# Altium PCB BB.PcbDoc (part 8 of 9) (continued)
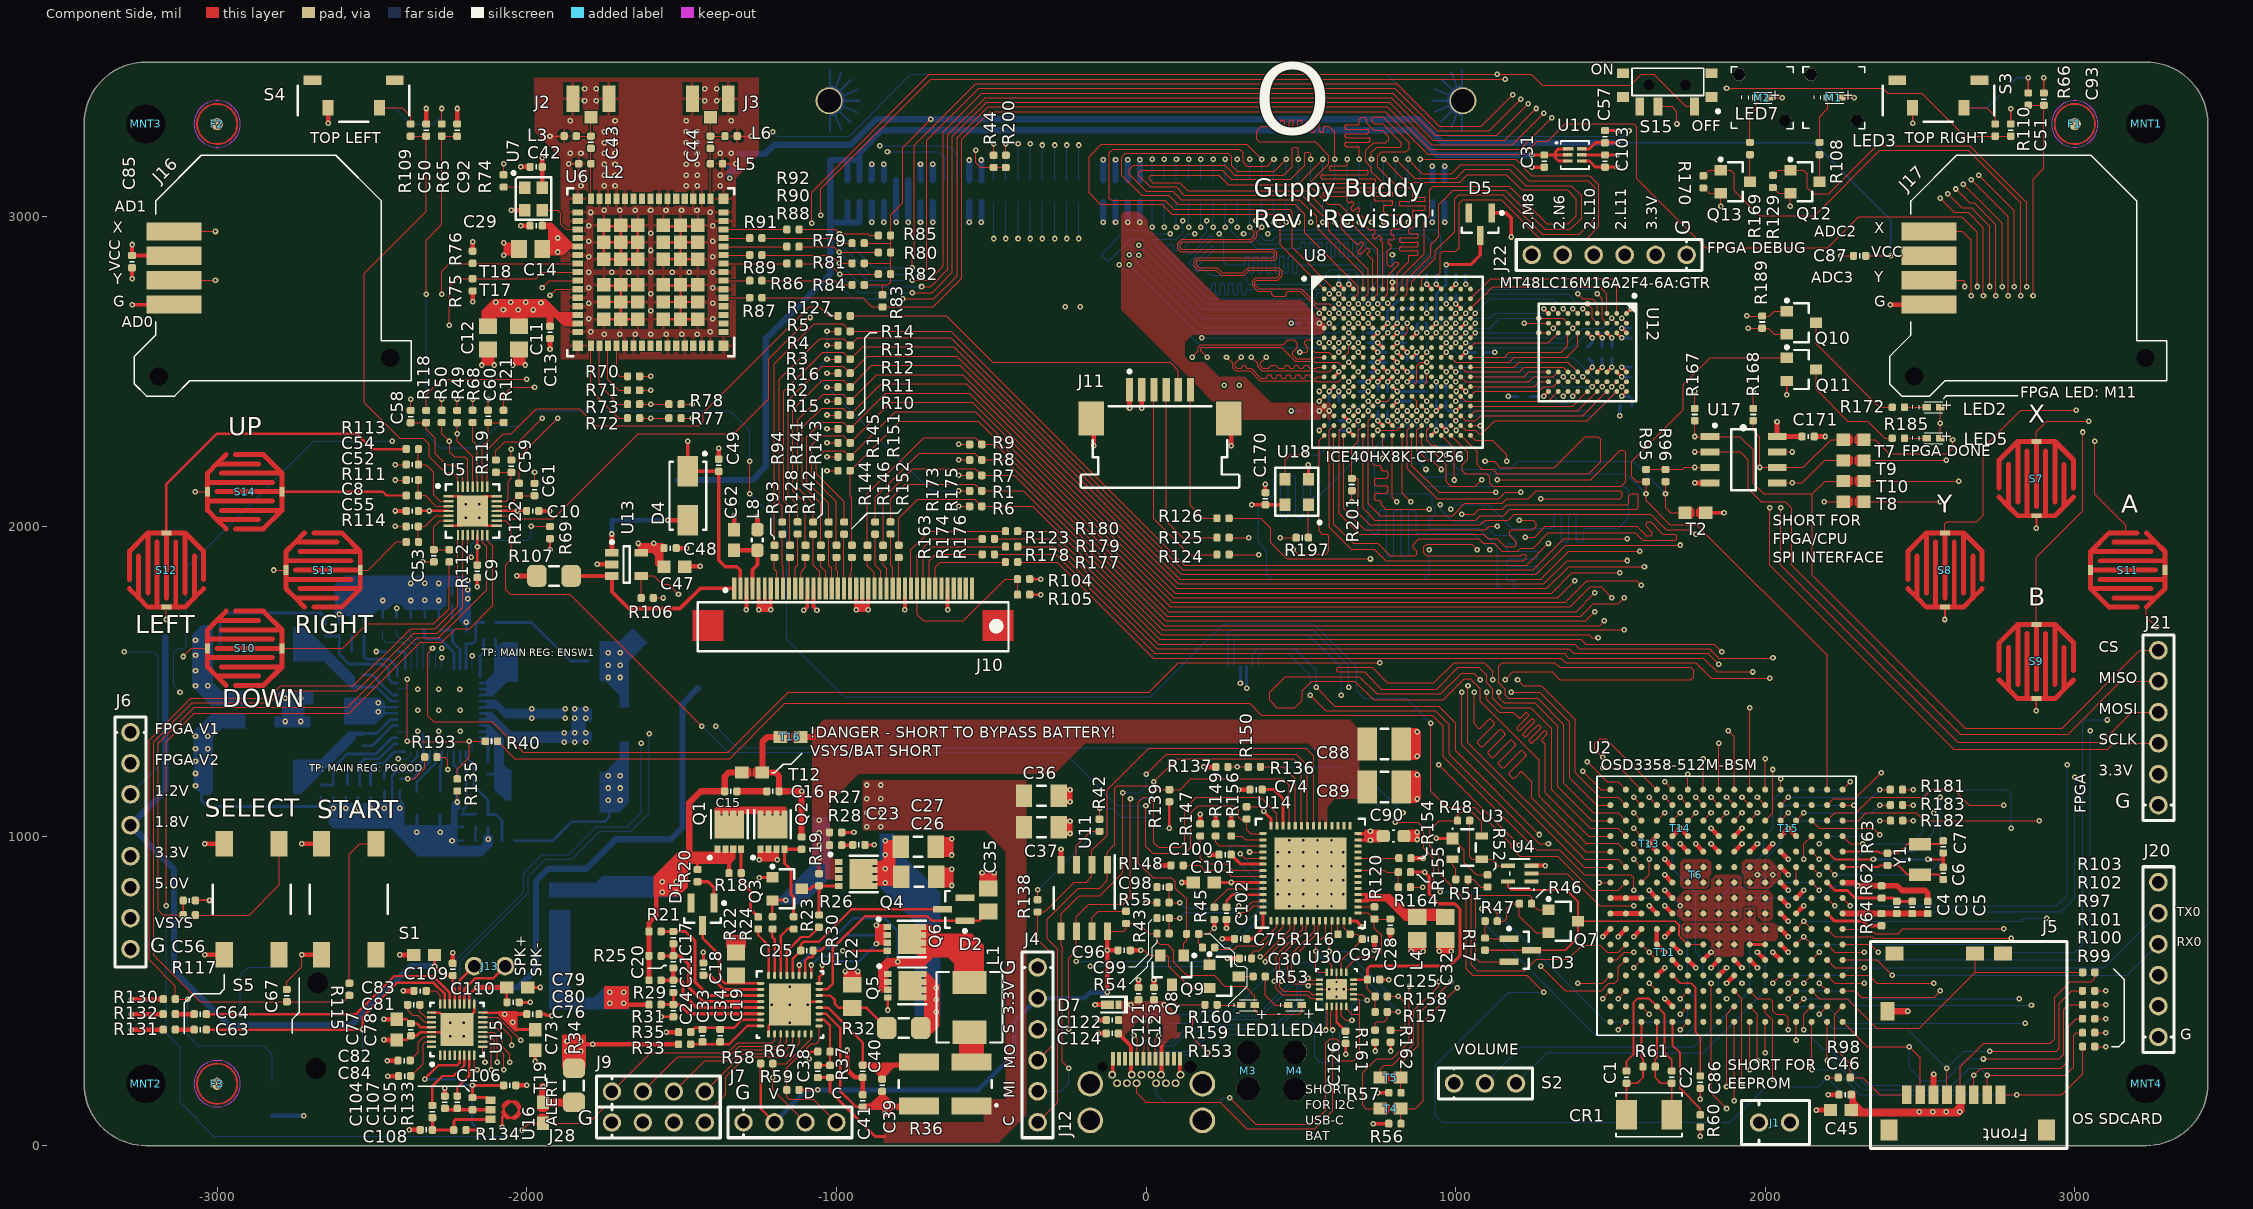
[diagram p0: Component Side view]
## Polygon pours and split planes (outlines as drawn) (continued)
GND on Ground Plane (GND) (split plane): -3230,3479.9 3230,3479.9 3230.71,3479.97 3241.77,3479.61 3253.49,3478.46 3265.12,3476.54 3276.59,3473.86 3287.86,3470.44 3298.88,3466.29 3309.61,3461.43 3320,3455.88 3330,3449.66 3339.57,3442.8 3348.68,3435.33 3357.28,3427.28 3365.33,3418.68 3372.8,3409.57 3379.66,3400 3385.88,3390 3391.43,3379.61 3396.3,3368.88 3400.44,3357.86 3403.86,3346.59 3406.54,3335.12 3408.46,3323.49 3409.61,3311.77 3409.97,3300.71 3409.9,3300 3409.9,200 3409.97,199.29 3409.61,188.23 3408.46,176.51 3406.54,164.88 3403.86,153.41 3400.44,142.14 3396.3,131.12 3391.43,120.39 3385.88,110 3379.66,100 3372.8,90.43 3365.33,81.32 3357.28,72.72 3348.68,64.67 3339.57,57.2 3330,50.34 3320,44.12 3309.61,38.57 3298.88,33.7 3287.86,29.56 3276.59,26.14 3265.12,23.46 3253.49,21.54 3241.77,20.39 3230.71,20.03 3230,20.1 -3230,20.1 -3230.71,20.03 -3241.77,20.39 -3253.49,21.54 -3265.12,23.46 -3276.59,26.14 -3287.86,29.56 -3298.88,33.7 -3309.61,38.57 -3320,44.12 -3330,50.34 -3339.57,57.2 -3348.68,64.67 -3357.28,72.72 -3365.33,81.32 -3372.8,90.42 -3379.66,100 -3385.88,110 -3391.43,120.39 -3396.29,131.12 -3400.44,142.14 -3403.86,153.41 -3406.54,164.88 -3408.46,176.51 -3409.61,188.23 -3409.97,199.29 -3409.9,200 -3409.9,3300 -3409.97,3300.71 -3409.61,3311.77 -3408.46,3323.49 -3406.54,3335.12 -3403.86,3346.59 -3400.44,3357.86 -3396.3,3368.88 -3391.43,3379.61 -3385.88,3390 -3379.66,3400 -3372.8,3409.57 -3365.33,3418.68 -3357.28,3427.28 -3348.68,3435.33 -3339.57,3442.8 -3330,3449.66 -3320,3455.88 -3309.61,3461.43 -3298.88,3466.3 -3287.86,3470.44 -3276.59,3473.86 -3265.12,3476.54 -3253.49,3478.46 -3241.77,3479.61 -3230.71,3479.97
V3P3 on Power Plane (VCC) (split plane): -3230,3479.9 3230,3479.9 3230.71,3479.97 3241.77,3479.61 3253.49,3478.46 3265.12,3476.54 3276.59,3473.86 3287.86,3470.44 3298.88,3466.29 3309.61,3461.43 3320,3455.88 3330,3449.66 3339.57,3442.8 3348.68,3435.33 3357.28,3427.28 3365.33,3418.68 3372.8,3409.57 3379.66,3400 3385.88,3390 3391.43,3379.61 3396.3,3368.88 3400.44,3357.86 3403.86,3346.59 3406.54,3335.12 3408.46,3323.49 3409.61,3311.77 3409.97,3300.71 3409.9,3300 3409.9,200 3409.97,199.29 3409.61,188.23 3408.46,176.51 3406.54,164.88 3403.86,153.41 3400.44,142.14 3396.3,131.12 3391.43,120.39 3385.88,110 3379.66,100 3372.8,90.43 3365.33,81.32 3357.28,72.72 3348.68,64.67 3339.57,57.2 3330,50.34 3320,44.12 3309.61,38.57 3298.88,33.7 3287.86,29.56 3276.59,26.14 3265.12,23.46 3253.49,21.54 3241.77,20.39 3230.71,20.03 3230,20.1 -3230,20.1 -3230.71,20.03 -3241.77,20.39 -3253.49,21.54 -3265.12,23.46 -3276.59,26.14 -3287.86,29.56 -3298.88,33.7 -3309.61,38.57 -3320,44.12 -3330,50.34 -3339.57,57.2 -3348.68,64.67 -3357.28,72.72 -3365.33,81.32 -3372.8,90.42 -3379.66,100 -3385.88,110 -3391.43,120.39 -3396.29,131.12 -3400.44,142.14 -3403.86,153.41 -3406.54,164.88 -3408.46,176.51 -3409.61,188.23 -3409.97,199.29 -3409.9,200 -3409.9,3300 -3409.97,3300.71 -3409.61,3311.77 -3408.46,3323.49 -3406.54,3335.12 -3403.86,3346.59 -3400.44,3357.86 -3396.3,3368.88 -3391.43,3379.61 -3385.88,3390 -3379.66,3400 -3372.8,3409.57 -3365.33,3418.68 -3357.28,3427.28 -3348.68,3435.33 -3339.57,3442.8 -3330,3449.66 -3320,3455.88 -3309.61,3461.43 -3298.88,3466.3 -3287.86,3470.44 -3276.59,3473.86 -3265.12,3476.54 -3253.49,3478.46 -3241.77,3479.61 -3230.71,3479.97
VADJ1 on Power Plane (VCC) (split plane): 1022.39,3199.01 1022.39,2860.99 973.2,2811.8 972.65,2810.98 972.45,2810 972.45,2764.06 950.94,2742.55 922,2742.55 921.02,2742.35 920.2,2741.8 876.2,2697.8 875.65,2696.98 875.45,2696 875.45,2659.06 827.94,2611.55 772.25,2611.55 767.12,2616.69 767.12,2673.57 767.12,2740.43 766.92,2741.41 766.37,2742.24 761.8,2746.8 760.98,2747.35 760,2747.55 661.06,2747.55 640.07,2768.53 639.24,2769.09 638.27,2769.28 606.06,2769.28 592.55,2782.79 592.55,2833.71 668.29,2909.45 837,2909.45 837.98,2909.65 838.8,2910.2 871.8,2943.2 872.35,2944.02 872.55,2945 872.55,3018 872.35,3018.98 871.8,3019.8 799.8,3091.8 798.98,3092.35 798,3092.55 -905,3092.55 -905.98,3092.35 -906.8,3091.8 -942.8,3055.8 -943.35,3054.98 -943.55,3054 -943.55,2782.06 -1074.8,2650.8 -1075.35,2649.98 -1075.55,2649 -1075.55,2369.06 -1380.8,2063.8 -1381.35,2062.98 -1381.55,2062 -1381.55,1861 -1381.55,1656.06 -1884.06,1153.55 -2607.63,1153.55 -2608.61,1153.35 -2609.43,1152.8 -2649.37,1112.86 -3094.26,1112.86 -3107.45,1126.06 -3107.45,1346.94 -2593.94,1860.45 -1945,1860.45 -1944.02,1860.65 -1943.2,1861.2 -1776.2,2028.2 -1775.65,2029.02 -1775.45,2030 -1775.45,2120.94 -1323.2,2573.2 -1322.65,2574.02 -1322.45,2575 -1322.45,2872.94 -912.94,3282.45 -655,3282.45 -654.02,3282.65 -653.2,3283.2 -623.94,3312.45 908.94,3312.45

## Other copper
Component Side:
  region net NetC6_1: 2580,945.45 2580,899.82 2570,899.82 2570,945.45
  region net V3P3: -2030,434.21 -2030,370.16 -2038.16,370.16 -2090,422 -2090,434.21
  region net V5P0: -1640,1915 -1640,1945 -1559.75,1945 -1559.75,1870 -1564,1870 -1578,1870 -1585,1877 -1585,1905 -1595,1915 -1609,1915
  region net GND: -1256.5,1750 -1256.5,1731.5 -1250.32,1725.32 -1214.51,1725.32 -1206.5,1733.34 -1206.5,1750
  region net GND: -941.54,1750 -941.54,1731.5 -935.36,1725.32 -899.55,1725.32 -891.54,1733.34 -891.54,1750
  region net GND: -267.15,1055.51 -243.52,1055.51 -237.62,1049.61 -237.62,1006.3 -243.52,1000.39 -267.15,1000.39
  region net GND: -267.13,1157.56 -243.51,1157.56 -237.6,1151.65 -237.6,1108.35 -243.51,1102.44 -267.13,1102.44
  region net HSRN: -904.53,115.24 -852.24,115.24 -852.24,95.55 -822.72,95.55 -822.72,115.24 -751.85,115.24 -751.85,134.92 -812.87,134.92 -842.91,164.96 -859.86,164.96 -889.9,134.92 -904.53,134.92
  region net HSRP: -904.53,268 -751.85,268 -751.85,253.03 -812.87,253.03 -845.75,220.16 -857.6,220.16 -890.47,253.03 -904.53,253.03
  region net GND: 993.86,649.29 993.86,625.67 987.95,619.76 944.65,619.76 938.74,625.67 938.74,649.29
  region net VBUS: 903.31,649.29 903.31,625.67 897.4,619.76 854.09,619.76 848.19,625.67 848.19,649.29
  region net GND: 848.19,1020.39 875.75,1020.39 883.62,1012.52 883.62,984.96 879.69,981.02 848.19,981.02
  region net GND: -2105.12,2566.44 -2105.12,2521.44 -2145,2521.44 -2145,2566.44
  region net GND: -2005.12,2566.44 -2005.12,2521.44 -2045,2521.44 -2045,2566.44
  region net SYS_VDD1_3P3V: 2642.87,193 2642.87,110 2627.87,95 2272.87,95 2272.87,135 2272.87,175 2287.87,175 2292.87,170 2292.87,145 2317.87,120 2607.87,120 2617.87,130 2617.87,193
  region net NetC32_2: 706.46,789.06 773.39,789.05 836.38,726.06 958.43,726.06 958.43,765.43 836.38,765.43 789.13,812.68 706.46,812.68
  region net GND: 856.06,1348.11 875.75,1348.11 887.56,1336.3 887.56,1257.56 875.75,1245.75 856.06,1245.75
  region net GND: 856.06,1210.31 875.75,1210.31 887.56,1198.5 887.56,1119.76 875.75,1107.95 856.06,1107.95
  region net USB_V5P0: 710,1020 754.68,1020 754.68,980.43 710,980.43 705,985 705,1015
  region net V3P3: -1845,2646.44 -1880,2646.44 -1910,2676.44 -1915,2676.44 -1915,2646.44 -1935,2646.44 -1935,2676.44 -2000,2676.44 -2000,2666.44 -2050,2666.44 -2050,2676.44 -2100,2676.44 -2100,2669.86 -2145,2669.86 -2145,2696.44 -2107.68,2733.76 -1937.32,2733.76 -1895,2691.44 -1845,2691.44 -1845,2676.44 -1855,2676.44 -1855,2661.44 -1845,2661.44
  region net GND: -2030,2876.56 -2075,2876.56 -2075,2916.44 -2030,2916.44
  region net V1P8: -1825,2896.44 -1860,2896.44 -1880,2876.44 -1930,2876.44 -1930,2961.44 -1950,2961.44 -1950,2981.44 -1920,2981.44 -1850,2911.44 -1825,2911.44
  region net BGND: -976.72,533.72 -976.72,557.34 -966.44,567.62 -931.87,567.62 -921.6,557.34 -921.6,533.72
  region net NetL1_1: -524.49,336.89 -524.49,269.96 -603.23,269.96 -603.23,336.89
  region net GND: -661.1,835.41 -632.48,835.41 -622.64,845.25 -622.64,888.56 -632.48,898.4 -661.1,898.4
  region net GND: -661.1,933.83 -632.48,933.83 -622.64,943.68 -622.64,986.98 -632.48,996.83 -661.1,996.83
  region net NetC26_2: -868.86,839.35 -813.74,839.35 -809.8,843.28 -809.8,981.08 -815.71,986.98 -839.33,986.98 -849.17,977.14 -849.17,925.96 -857.05,918.09 -868.86,918.09
  region net PH: -835.12,494.84 -858.74,494.84 -864.65,500.75 -864.65,579.49 -839.06,605.08 -740.63,605.08 -736.69,609.02 -736.69,713.35 -693.39,713.35 -665.24,685.2 -562.25,685.2 -524.8,647.76 -524.8,561 -619,561 -619,587 -641.02,609.01 -687.48,609.02 -717.01,579.49 -823.31,579.49 -835.12,567.68
  region net GND: -842.99,648.39 -866.61,648.39 -874.49,656.26 -874.49,707.44 -866.61,715.32 -842.99,715.32
  region net NetC26_2: -717.01,559.8 -707.17,559.8 -667.8,520.43 -667.8,386.02 -690.87,362.95 -736.69,362.95 -736.69,402.32 -720.95,402.32 -717.01,406.26
  region net BGND: -537.02,852.85 -537.02,876.47 -526.74,886.75 -492.17,886.75 -481.9,876.47 -481.9,852.85
  region net NetC15_2: -1326,950 -1326,926 -1342,910 -1342,880.49 -1353.01,880.49 -1353,910 -1480,910 -1480,835 -1510,805 -1590,805 -1590,869.99 -1509.99,950
  region net VSYS: -1186.5,950.57 -1186.5,926.94 -1194.37,919.07 -1245.55,919.07 -1253.43,926.94 -1253.43,950.57
  region net BGND: -1810.08,358 -1810.08,249.96 -1885.08,249.96 -1885.08,358
  region net NetJ14_2: -1749,442 -1749,515 -1671,515 -1671,442
  region net NetQ1_5: -1161.89,1071.63 -1392.2,1071.63 -1392.2,1089.35 -1386.3,1095.25 -1165.83,1095.25 -1161.89,1091.32
  region net BGND: -1292.54,641 -1292.54,669.62 -1302.39,679.46 -1345.69,679.46 -1355.54,669.62 -1355.54,641
Solder Side:
  region net VADJ1: -2909.53,1348.14 -2985.53,1348.14 -3014.53,1319.14 -3014.53,1143.96 -3024.35,1134.14 -3049.53,1134.14 -3075,1159.61 -3075,1338.67 -3019.53,1394.14 -2909.53,1394.14
  region net NetC144_1: -2529.47,1336.14 -2574.86,1336.14 -2664.86,1246.14 -2754.47,1246.14 -2754.47,1136.14 -2729.47,1136.14 -2554.47,1311.14 -2554.47,1319.14 -2549.47,1324.14 -2529.47,1324.14
  region net NetC150_1: -2530,1475 -2565,1475 -2655,1565 -2755,1565 -2755,1675 -2715,1675 -2555,1515 -2555,1492 -2550,1487 -2530,1487
  region net GND: -2215,1115 -2220.04,1120 -2230,1120 -2244,1106 -2244,1041 -2250,1035 -2390,1035 -2395,1040 -2395,1105 -2405,1115 -2419.86,1115 -2480.17,1115.14 -2489.68,1105.63 -2634.37,1105.63 -2640,1100 -2640,1040 -2625,1025 -2440,1025 -2350,935 -2145,935 -2110,970 -2110,1000 -2115,1005 -2136,1005 -2140,1001 -2140,979 -2151,968 -2218,968 -2224.68,974.69 -2224.68,1079.69 -2215,1089.37
  region net V3P3: -1765,1207.28 -1745,1207.28 -1700,1252.28 -1700,1304 -1670,1304 -1670,1107.28 -1700,1077.28 -1765,1077.28
  region net GND: -2620.53,1711.14 -2500.53,1711.14 -2480.53,1731.14 -2450.53,1731.14 -2430.53,1751.14 -2410.53,1751.14 -2390.53,1731.14 -2275.53,1731.14 -2260.53,1746.14 -2260.53,1796.14 -2250.53,1806.14 -2230.53,1806.14 -2220.53,1796.14 -2220.53,1696.14 -2203.53,1679.14 -2187.53,1679.14 -2180.53,1686.14 -2180.53,1826.14 -2195.72,1841.34 -2590.33,1841.34 -2620.53,1811.14
  region net VADJ2: -2909.53,1467.14 -2985.53,1467.14 -3014.53,1496.14 -3014.53,1671.32 -3024.35,1681.14 -3049.53,1681.14 -3080,1650.67 -3080,1481.61 -3019.53,1421.14 -2909.53,1421.14
  region net GND: -2814.53,1466.14 -2689.53,1466.14 -2689.53,1426.14 -2719.53,1426.14 -2719.53,1386.14 -2699.53,1386.14 -2699.53,1351.14 -2814.53,1351.14 -2814.53,1386.14 -2789.53,1386.14 -2789.53,1426.14 -2814.53,1426.14
  region net V5P0: -1765,1500 -1745,1500 -1700,1455 -1700,1416.14 -1670,1416.14 -1670,1565 -1611,1624 -1658.5,1671.5 -1700,1630 -1765,1630
  region net GND: -2130.53,1400.77 -2115.16,1400.77 -2050.53,1336.15 -1864.52,1336.14 -1854.53,1346.14 -1854.53,1416.14 -1809.53,1416.14 -1804.53,1411.14 -1789.53,1411.14 -1789.53,1371.14 -1804.53,1371.14 -1809.53,1366.14 -1809.53,1341.14 -1804.53,1336.14 -1789.53,1336.14 -1789.53,1306.14 -1804.53,1306.14 -1809.53,1301.14 -2049.53,1301.14 -2120.16,1371.77 -2130.53,1371.77
  region net NetC138_1: -2130.53,1361.14 -2120.53,1361.14 -2075,1315.61 -2075,1230.61 -2060.53,1216.14 -2050.53,1216.14 -2050.53,1115.14 -2070.14,1115.14 -2105,1150 -2105,1295.61 -2120.53,1311.14 -2130.53,1311.14
  region net VSYS: -2129.53,1440.14 -2098.53,1440.14 -2069.53,1411.14 -1875.53,1411.14 -1875.53,1381.14 -2069.53,1381.14 -2099.53,1411.14 -2129.53,1411.14
  region net NetC91_1: -2029.59,1498.14 -2062.53,1498.14 -2109.53,1451.14 -2130.53,1451.14 -2130.53,1501.14 -2104.53,1527.14 -2104.53,1601.14 -2079.53,1626.14 -2029.59,1626.14
  region net VSYS: -2459.53,1391.14 -2489.53,1361.14 -2590,1361.14 -2590,1446.14 -2475.53,1446.14 -2459.53,1430.14
  region net NetJ14_2: -1927.15,439.97 -1927.15,760 -1859,760 -1859,477 -1784,477 -1750,511 -1670,511 -1670,477 -1670,439.97
  region net NetC15_2: -1927.15,803 -1927.15,850 -1777,850 -1756,871 -1510,871 -1510,803
  region net V_USB_HV: -1183,780 -1106,780 -1022.21,863.8 -1022.21,1060 -1077.4,1060 -1077.4,908.6 -1183,803
  region net NetC26_2: -747.4,419.96 -747.4,721.4 -860,834 -860,1008 -812.4,1008 -812.4,964.96 -665,817.56 -665,419.96
Power Plane (VCC) (plane layer: these items are gaps in the copper):
  lines w5: -3110,1125 -3095.31,1110.31 -2648.32,1110.31 -2607.63,1151 -1984,1151 -1883,1151 -1379,1655 -1379,1861 -1379,2062 -1073,2368 -1073,2649 -941,2781 -941,3054 -905,3090 798,3090 870,3018 870,2945 837,2912 667.23,2912 590,2834.77 590,2781.73 605,2766.73 638.27,2766.73 660,2745 760,2745 764.57,2740.43 764.57,2673.57 764.57,2615.63 771.2,2609 829,2609 878,2658 878,2696 922,2740 952,2740 975,2763 975,2810 1024.94,2859.94 1024.94,3200.06 910,3315 -625,3315 -655,3285 -914,3285 -1325,2874 -1325,2575 -1778,2122 -1778,2030 -1945,1863 -2595,1863 -3110,1348 -3110,1125

## Silkscreen, mask and mechanical layers (free items; w line width, h text height)
Top Overlay:
  lines w4: -56,578 -33,578 9,620 9,720.32 19.68,731 ; -54,524 -50.6,524 5,579.6 5,593 20,608 20,641 35.63,656.63 35.63,665 ; 190,684 208,684 252,640 268,640 286,622 286,588 294,580 318,580 326.32,571.68 326.32,515.32 267,456 267,448
  lines w5: -3106,361 -3106,460.75 -3075.75,491 -2992,491 -2977,506 -2977,554 ; -2757,362.64 -2757,409.04 -2735,431.04 -2735,543 ; -2350.31,192.6 -2202.6,192.6 -2186,176 ; -1609,573 -1567,573 -1558,582 -1550,582 ; -1211.81,2027 -1211.81,1975.81 -1200,1964 -1200,1959 ; -1209,1204.98 -1199.02,1204.98 -1172,1232 -1147,1232 -1112,1267 ; -1060,2027 -1046,2041 -1046,2188 ; -1031,2694 -1017,2680 -1014,2680 ; -950,1993 -900,2043 -802.84,2043 -789.84,2056 ; -928,2360 -907.72,2380.28 -907.72,2609.28 -892,2625 -870,2625 ; 875,874.69 880.13,874.69 901.79,853.03 914,853.03 ; 877,928.6 895.43,928.6 906.3,939.47 906.3,962 ; 1121,889 1130,898 1130,913 ; 1260.5,801.5 1286,827 1289,827 ; 2576,2413 2585,2422 2815,2422 ; 3120,320 3143,320 3160,337 3160,537 3126,571
  text "ON" at 1436,3446 h60
  text "-" at 1949.35,3377.06 h60 r90
  text "-" at 2185,3377.06 h60 r90
  text "+" at 2060.35,3371.15 h60 r90
  text "+" at 2296,3371.15 h60 r90
  text "OFF" at 1762,3263 h60
  text "TOP LEFT" at -2700,3225 h60
  text "TOP RIGHT" at 2449.9,3225 h60
  text "O" at 350,3191 h393.7
  text "Guppy Buddy" at 348,3045 h100
  text "AD1" at -3331,3004 h60
  text "2.M8" at 1264.76,2956 h60 r90
  text "2.N6" at 1364.76,2956 h60 r90
  text "2.L10" at 1464.76,2956 h60 r90
  text "2.L11" at 1564.76,2956 h60 r90
  text "3.3V" at 1664.76,2956 h60 r90
  text "Rev" at 348,2945 h100
  text "'.Revision'" at 523,2945 h100
  text "G" at 1773.6,2940.54 h80 r90
  text "ADC2" at 2159,2923 h60
  text "FPGA DEBUG" at 1813,2869 h60
  text "ADC3" at 2149,2775 h60
  text "MT48LC16M16A2F4-6A:GTR" at 1142,2757 h60
  text "AD0" at -3309,2630 h60
  text "FPGA LED: M11" at 2823,2402 h60
  text "-" at 2502.69,2377 h60 r90
  text "+" at 2613.69,2371 h60 r90
  text "X" at 2849.15,2315 h100
  text "-" at 2502.69,2277 h60 r90
  text "UP" at -2965,2275 h100
  text "+" at 2613.69,2271 h60 r90
  text "FPGA DONE" at 2443,2214 h60
  text "ICE40HX8K-CT256" at 580,2195 h60
  text "Y" at 2555,2025 h100
  text "A" at 3150,2025 h100
  text "SHORT FOR / FPGA/CPU / SPI INTERFACE" at 2024.41,1870 h60
  text "B" at 2849.49,1724.66 h100
  text "RIGHT" at -2750,1636.2 h100
  text "LEFT" at -3265,1635 h100
  text "CS" at 3077,1581.24 h60
  text "TP: MAIN REG: ENSW1" at -2146,1573 h40
  text "MISO" at 3077,1481.24 h60
  text "DOWN" at -2984,1396 h100
  text "MOSI" at 3077,1381.24 h60
  text "FPGA V1" at -3201,1316.24 h60
  text "!DANGER - SHORT TO BYPASS BATTERY!" at -1086,1305 h60
  text "SCLK" at 3077,1281.24 h60
  text "VSYS/BAT SHORT" at -1085,1245 h60
  text "FPGA V2" at -3201,1216.24 h60
  text "TP: MAIN REG: PGOOD" at -2703,1200 h40
  text "OSD3358-512M-BSM" at 1469,1199 h60
  text "3.3V" at 3077,1181.24 h60
  text "1.2V" at -3201,1116.24 h60
  text "FPGA" at 3047.76,1074 h60 r90
  text "G" at 3131,1074 h80
  text "SELECT" at -3040.75,1043 h100
  text "START" at -2677,1038 h100
  text "1.8V" at -3201,1016.24 h60
  text "3.3V" at -3201,916.24 h60
  text "5.0V" at -3201,816.24 h60
  text "TX0" at 3330,732 h50
  text "VSYS" at -3201,689 h60
  text "RX0" at 3330,635 h50
  text "G" at -3216.46,607.4 h80
  text "G" at -406,550.63 h80 r90
  text "SPK+" at -1990,547 h60 r90
  text "SPK-" at -1939,546 h60 r90
  text "3.3V" at -412,422 h60 r90
  text "-" at 289,402 h60
  text "-" at 420,398 h60
  text "+" at 507,397.42 h60
  text "+" at 355,396 h60
  text "S" at -412,362 h60 r90
  text "G" at 3340,329 h60
  text "VOLUME" at 995,280 h60
  text "MO" at -410,249 h60 r90
  text "SHORT FOR / EEPROM" at 1879.5,171 h60
  text "MI" at -411,153 h60 r90
  text "D" at -1105,138 h60
  text "C" at -1015,138 h60
  text "V" at -1218.98,136.83 h60
  text "G" at -1327.46,132 h80
  text "C" at -412,63 h60 r90
  text "ALERT" at -1888,62 h60 r90
  text "OS SDCARD" at 2992,56 h60
  text "G" at -1835.24,50 h80
  text "SHORT / FOR I2C / USB-C / BAT" at 514,8 h50
Bottom Overlay:
  lines w5: -2010,2760 -2000,2760 -1985,2745 -1945,2745 ; -2005.12,2795 -1970,2795 -1960,2785 ; -1609,2815 -1291,3133 -1147,3133 ; -1520,2505 -1520,2205 390,2205 390,2505 ; 654.33,2467.52 670.81,2484 732.34,2484 748.82,2467.52 ; 760,2644 782,2622 782,2579 ; 774,2327 778,2331 ; 778,2298 778,2331 ; 782,2327 778,2331 ; 835,2755 835,2791 842,2798 ; 913,2833 913,2884 ; 1546,821 1569,821 1675,715 1675,644.19 ; 1551,941 1574.18,941 1608,974.82 ; 1551,993 1573,993 1603,1023 1707,1023 ; 1555,875 1755,875 ; 1561,1056 1828,1056 1859,1025 2061,1025 ; 2265,2125 3310,2125 ; 2265,2170 3310,2170 ; 2585,1825 2585,2170 ; 2770,1825 2770,2170 ; 3065,1825 3065,2170 ; 390,2505 -1610,2505 -1610,2805 390,2805 390,2505 ; -1845,30.14 -1845,130 -1365,130 -1365,30.14 -1845,30.14 ; -1845,130.09 -1365,130.09 -1365,229.95 -1845,229.95 -1845,130.09 ; 2265,1825 3310,1825 3310,2215 2265,2215 2265,1825
  text "BOTTOM LEFT" at -2425,3225 h60
  text "BOTTOM RIGHT" at 2685,3225 h60
  text "TP: WIFI: WL_UART_DBG" at -2015,2785 h40
  text "TP: WIFI: BT_UART_DEBUG" at -2015,2750 h40
  text "TOP" at -1679,2743 h40 r270
  text "G" at -778.97,2717 h40 r270
  text "G" at -739.6,2717 h40 r270
  text "G" at -1507.63,2710.68 h40 r270
  text "G" at -1467.63,2710.68 h40 r270
  text "G" at -1349.29,2710.68 h40 r270
  text "G" at -1310.96,2710.68 h40 r270
  text "5.0V" at -1580,2685 h40 r270
  text "5.0V" at -1545,2685 h40 r270
  text "3.3V" at -1425,2685 h40 r270
  text "3.3V" at -1385,2685 h40 r270
  text "SCL" at -1270,2685 h40 r270
  text "SDA" at -1230,2685 h40 r270
  text "VADJ1" at -1190,2685 h40 r270
  text "VADJ1" at -1150,2685 h40 r270
  text "DET_N" at -1110,2685 h40 r270
  text "INT_N" at -1070,2685 h40 r270
  text "1 CK0" at -1030,2685 h40 r270
  text "1 CK1" at -990,2685 h40 r270
  text "1 D0" at -950,2685 h40 r270
  text "1 D1" at -915,2685 h40 r270
  text "1 D2" at -875.48,2685 h40 r270
  text "1 D3" at -835,2685 h40 r270
  text "VADJ1" at -678.19,2685 h40 r270
  text "VADJ1" at -638.19,2685 h40 r270
  text "1 D4" at -595.67,2685 h40 r270
  text "1 D5" at -556.3,2685 h40 r270
  text "1 D6" at -516.93,2685 h40 r270
  text "1 D7" at -477.56,2685 h40 r270
  text "1 D8" at -438.19,2685 h40 r270
  text "1 D9" at -398.82,2685 h40 r270
  text "1 D10" at -359.45,2685 h40 r270
  text "1 D11" at -320.08,2685 h40 r270
  text "1 D12" at -280.71,2685 h40 r270
  text "1 D13" at -241.34,2685 h40 r270
  text "1 D14" at -201.97,2685 h40 r270
  text "1 D15" at -162.6,2685 h40 r270
  text "1 D16" at -123.23,2685 h40 r270
  text "1 D17" at -83.86,2685 h40 r270
  text "1 D18" at -44.49,2685 h40 r270
  text "1 D19" at -5.12,2685 h40 r270
  text "1 D20" at 34.25,2685 h40 r270
  text "1 D21" at 73.62,2685 h40 r270
  text "1 D22" at 112.99,2685 h40 r270
  text "1 D23" at 153,2685 h40 r270
  text "1 D24" at 189,2685 h40 r270
  text "1 D25" at 229,2685 h40 r270
  text "1 D26" at 269,2685 h40 r270
  text "G" at 311.2,2685 h40 r270
  text "G" at 350.57,2685 h40 r270
  text "BOTTOM" at -1679,2620 h40 r270
  text "G" at -1509,2540.68 h40 r270
  text "G" at -1469.63,2540.68 h40 r270
  text "G" at -1351.52,2540.68 h40 r270
  text "G" at -1312.15,2540.68 h40 r270
  text "G" at -778.97,2540.68 h40 r270
  text "G" at -739.6,2540.68 h40 r270
  text "3.3V" at -1425,2516.68 h40 r270
  text "3.3V" at -1385,2516.68 h40 r270
  text "2 CK0+" at -1110,2516.68 h40 r270
  text "2 CK0-" at -1070,2516.68 h40 r270
  text "2 CK1+" at -1030,2516.68 h40 r270
  text "2 CK1-" at -990,2516.68 h40 r270
  text "2 D0+" at -950,2516.68 h40 r270
  text "2 D0-" at -915,2516.68 h40 r270
  text "2 D1+" at -875.48,2516.68 h40 r270
  text "2 D1-" at -835,2516.68 h40 r270
  text "5.0V" at -1580,2515 h40 r270
  text "5.0V" at -1545,2515 h40 r270
  text "VADJ2" at -1190,2515 h40 r270
  text "VADJ2" at -1150,2515 h40 r270
  text "VADJ2" at -678.19,2515 h40 r270
  text "VADJ2" at -638.19,2515 h40 r270
  text "2 D2+" at -595.67,2515 h40 r270
  text "2 D2-" at -556.3,2515 h40 r270
  text "2 D3+" at -516.93,2515 h40 r270
  text "2 D3-" at -477.56,2515 h40 r270
  text "2 D4+" at -438.19,2515 h40 r270
  text "2 D4-" at -398.82,2515 h40 r270
  text "2 D5+" at -359.45,2515 h40 r270
  text "2 D5-" at -320.08,2515 h40 r270
  text "2 D6+" at -280.71,2515 h40 r270
  text "2 D6-" at -241.34,2515 h40 r270
  text "2 D7+" at -201.97,2515 h40 r270
  text "2 D7-" at -162.6,2515 h40 r270
  text "2 D8+" at -123.23,2515 h40 r270
  text "2 D8-" at -83.86,2515 h40 r270
  text "2 D9+" at -44.49,2515 h40 r270
  text "2 D9-" at -5.12,2515 h40 r270
  text "2 D10+" at 34.25,2515 h40 r270
  text "2 D10-" at 73.62,2515 h40 r270
  text "2 D11+" at 112.99,2515 h40 r270
  text "2 D11-" at 153,2515 h40 r270
  text "2 D12+" at 189,2515 h40 r270
  text "2 D12-" at 229,2515 h40 r270
  text "G" at 311.2,2515 h40 r270
  text "G" at 350.57,2515 h40 r270
  text "B1" at -1508,2380 h40 r270
  text "OD_CPU" at -1110,2380 h40 r270
  text "F9" at -1070,2380 h40 r270
  text "F7" at -1030,2380 h40 r270
  text "C8" at -990,2380 h40 r270
  text "E5" at -950,2380 h40 r270
  text "D4" at -915,2380 h40 r270
  text "D3" at -875.48,2380 h40 r270
  text "D5" at -835,2380 h40 r270
  text "C3" at -595.67,2380 h40 r270
  text "B3" at -556.3,2380 h40 r270
  text "C4" at -516.93,2380 h40 r270
  text "C5" at -477.56,2380 h40 r270
  text "D6" at -438.19,2380 h40 r270
  text "C6" at -398.82,2380 h40 r270
  text "E6" at -359.45,2380 h40 r270
  text "C7" at -320.08,2380 h40 r270
  text "D7" at -280.71,2380 h40 r270
  text "A1" at -241.34,2380 h40 r270
  text "A2" at -201.97,2380 h40 r270
  text "B4" at -162.6,2380 h40 r270
  text "A5" at -123.23,2380 h40 r270
  text "B5" at -83.86,2380 h40 r270
  text "A6" at -44.49,2380 h40 r270
  text "B6" at -5.12,2380 h40 r270
  text "A7" at 34.25,2380 h40 r270
  text "B7" at 73.62,2380 h40 r270
  text "B8" at 112.99,2380 h40 r270
  text "A9" at 153,2380 h40 r270
  text "B9" at 189,2380 h40 r270
  text "A10" at 229,2380 h40 r270
  text "A11" at 269,2380 h40 r270
  text "B2" at -1508,2216.68 h40 r270
  text "FPGA PINS" at -1460,2216.68 h40 r270
  text "G1" at -1110,2216.68 h40 r270
  text "J5" at -1070,2216.68 h40 r270
  text "H1" at -1030,2216.68 h40 r270
  text "J3" at -990,2216.68 h40 r270
  text "R1" at -950,2216.68 h40 r270
  text "N4" at -915,2216.68 h40 r270
  text "L1" at -875.48,2216.68 h40 r270
  text "L4" at -835,2216.68 h40 r270
  text "M1" at -595.67,2215 h40 r270
  text "K4" at -556.3,2215 h40 r270
  text "K3" at -516.93,2215 h40 r270
  text "K1" at -477.56,2215 h40 r270
  text "J2" at -438.19,2215 h40 r270
  text "J1" at -398.82,2215 h40 r270
  text "J4" at -359.45,2215 h40 r270
  text "H2" at -320.08,2215 h40 r270
  text "C1" at -280.71,2215 h40 r270
  text "C2" at -241.34,2215 h40 r270
  text "F4" at -201.97,2215 h40 r270
  text "D2" at -162.6,2215 h40 r270
  text "D1" at -123.23,2215 h40 r270
  text "G5" at -83.86,2215 h40 r270
  text "G3" at -44.49,2215 h40 r270
  text "F3" at -5.12,2215 h40 r270
  text "F2" at 34.25,2215 h40 r270
  text "H3" at 73.62,2215 h40 r270
  text "B2" at 112.99,2215 h40 r270
  text "E4" at 153,2215 h40 r270
  text "E2" at 189,2215 h40 r270
  text "H5" at 229,2215 h40 r270
  text "I2C ADDRESSES" at 3295,2180 h40
  text "I2C 7 BIT ADDR" at 2570,2135 h40
  text "I2C DEV" at 2745,2135 h40
  text "PART NUMBER" at 3052,2135 h40
  text "DEVICE" at 3295,2135 h40
  text "0x24" at 2570,2084.84 h40
  text "0" at 2755,2084.84 h40
  text "TPS65217" at 3052,2084.88 h40
  text "SOM PMIC" at 3295,2084.84 h40
  text "SX1503I091TRT" at 3052,2048.58 h40
  text "0x20" at 2570,2048.4 h40
  text "0" at 2755,2048.4 h40
  text "GPIO EXP" at 3295,2048.4 h40
  text "BQ40Z60" at 3052,2016.17 h40
  text "0x24" at 2570,2011.95 h40
  text "1 *" at 2755,2011.95 h40
  text "BAT MAN" at 3295,2011.47 h40
  text "0x27" at 2570,1975.51 h40
  text "1 *" at 2755,1975.51 h40
  text "TPS65981" at 3052,1975.69 h40
  text "USB-C" at 3295,1975.51 h40
  text "0x40" at 2570,1939.06 h40
  text "1" at 2755,1939.06 h40
  text "GSL1680F" at 3052,1939.1 h40
  text "LCD TOUCH" at 3295,1939.06 h40
  text "0x12" at 2570,1902.62 h40
  text "1" at 2755,1902.62 h40
  text "AK4954AEN" at 3052,1902.8 h40
  text "AUDIO CODEC" at 3295,1902.62 h40
  text "0x40" at 2570,1866.17 h40
  text "0" at 2755,1866.17 h40
  text "TPS65-201A" at 3052,1866.21 h40
  text "TOUCH PAD" at 3295,1866.17 h40
  text "0x50" at 2570,1829 h40
  text "0" at 2755,1829.48 h40
  text "CART EXP" at 3052,1829.48 h40
  text "CART EXP" at 3295,1829.48 h40
  text "SPI FPGA CS0" at 3225,1585 h40
  text "SPI FPGA MISO" at 3225,1485 h40
  text "SPI FPGA MOSI" at 3225,1385 h40
  text "VADJ1" at -3081,1317.24 h60
  text "SPI FPGA SCLK" at 3225,1285 h40
  text "VADJ2" at -3081,1217.24 h60
  text "3.3V" at 3225,1185 h40
  text "1.2V" at -3081,1117.24 h60
  text "G" at 3225,1085 h40
  text "TP: PMIC_NINIT" at 1545,1045 h40
  text "1.8V" at -3081,1017.24 h60
  text "TP: WAKEUP" at 1545,981.59 h40
  text "TP: SYS VOUT" at 1545,925.79 h40
  text "3.3V" at -3081,917.24 h60
  text "TP: SYS VOUT" at 1545,870 h40
  text "5.0V" at -3081,817.24 h60
  text "TP: PWR_EN" at 1545,813 h40
  text "UART CONSOLE TX" at 3225,720 h40
  text "VSYS" at -3081,717.24 h60
  text "UART CONSOLE RX" at 3225,620 h40
  text "G" at -3065.54,608.4 h80
  text "G" at -395,560.63 h40
  text "USB 3.3V" at -395,460.63 h40
  text "USB FLASH SCLK" at -395,360.63 h40
  text "G" at 3225,320 h40
  text "USB FLASH MISO" at -395,260.63 h40
  text "USB FLASH MOSI" at -395,160.63 h40
  text "TEMP" at -1819,139 h40 r270
  text "G" at -1315,120.45 h40 r270
  text "USB 3.3V" at -1215,120.45 h40 r270
  text "BAT SDA" at -1112.51,120.45 h40 r270
  text "BAT SCL" at -1012.51,120.45 h40 r270
  text "G" at -1820,62 h40 r270
  text "USB FLASH CSN" at -395,60.63 h40
Top Solder:
  the board outline again, w4
Mechanical 2:
  the board outline again, w4
Mechanical 3:
  lines w4: -2993.78,1859.25 3266.06,1859.26 ; -2860.83,1726.3 -2860.83,1992.21 ; 2850.79,1683.98 2850.79,2034.53
  lines w10: 1775,3165 1953.78,3165